# KiCad board jetson-agx-thor-baseboard.kicad_pcb (continued)
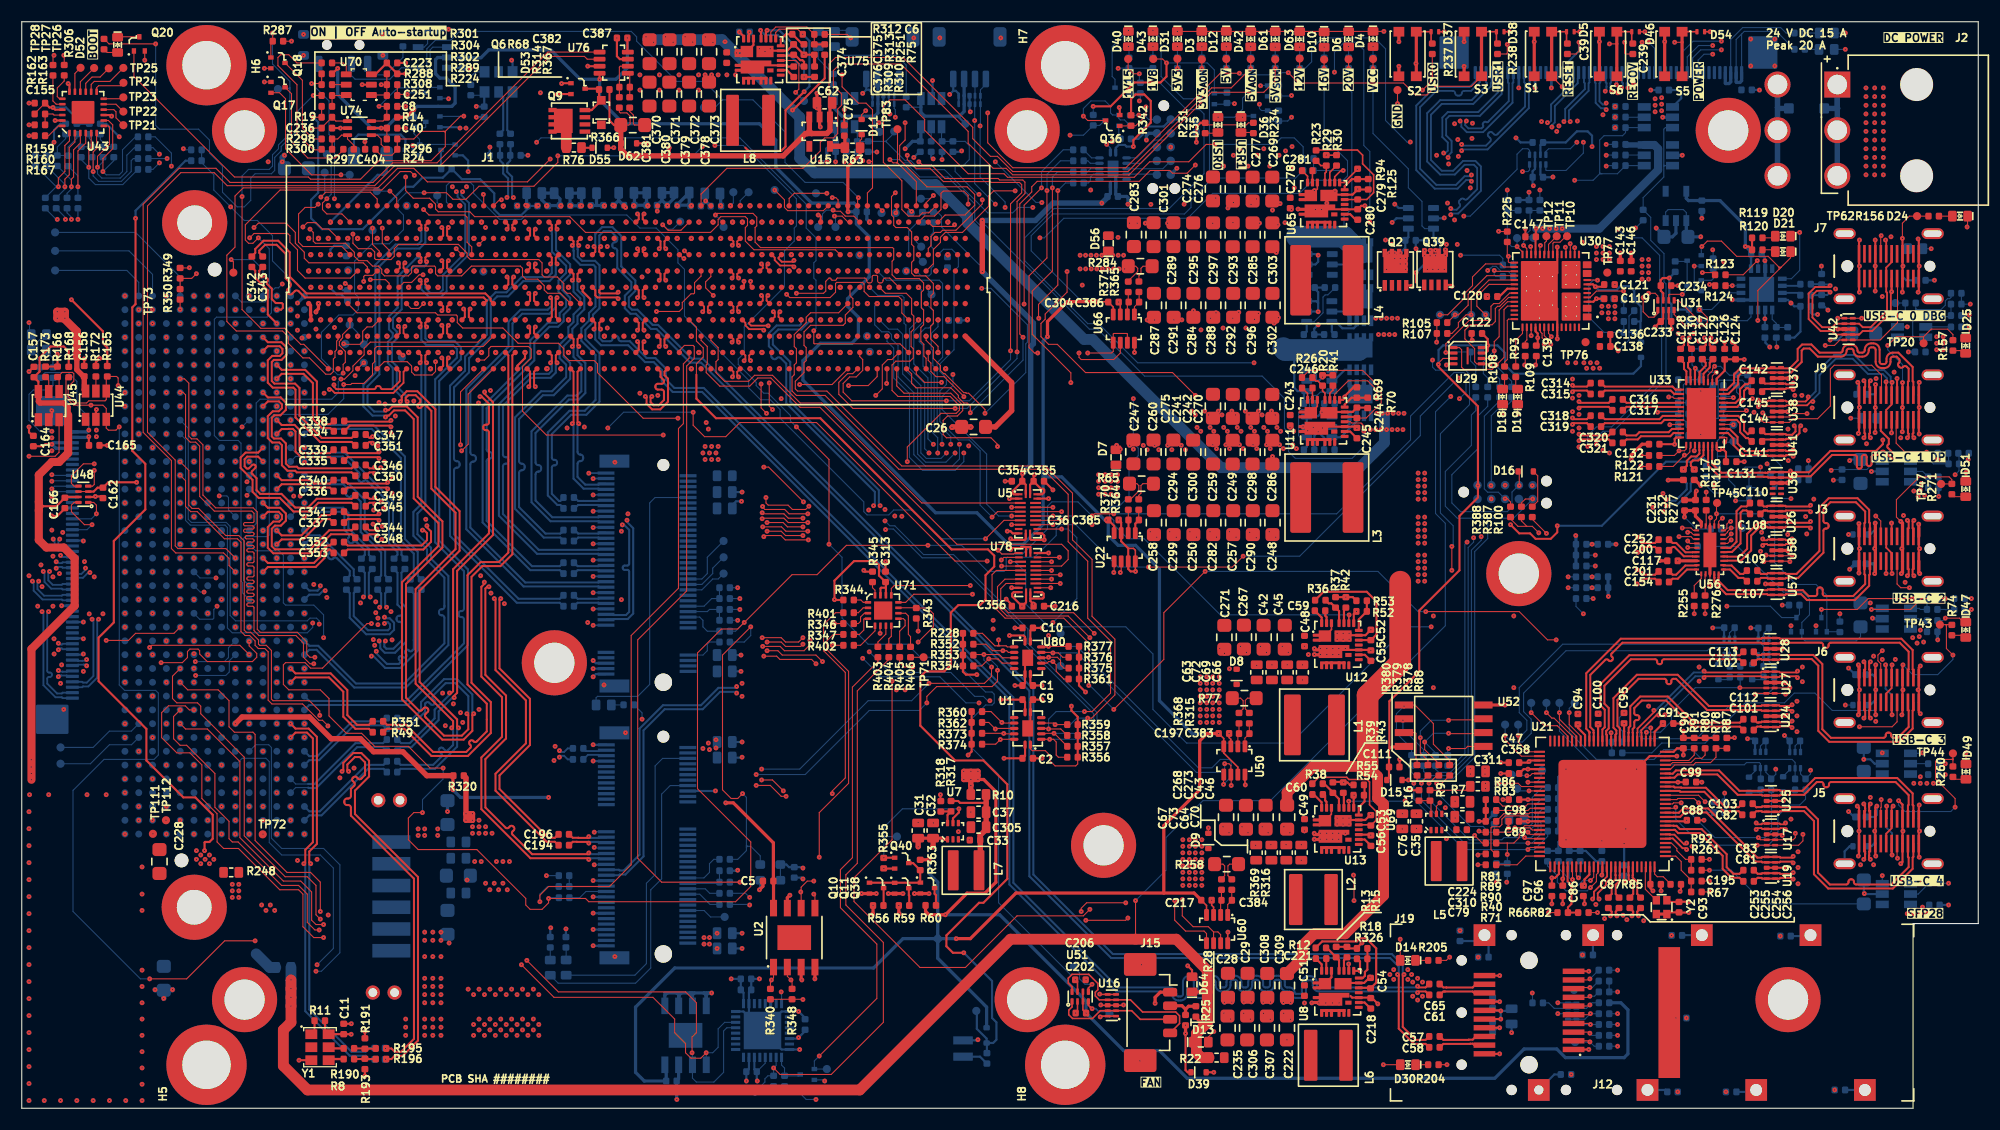
[diagram p0: board, top side]
## Footprints (pads in the part's own frame, mm; a bottom-side part is the same pattern mirrored in y, then rotated) (continued)
VQFN-24-1EP_3.8x3.8x1.0mm_P0.5mm
  rrect 0.6x0.25 smd: 1(-1.901,1.25) 2(-1.901,0.75) 3(-1.901,0.25) 4(-1.901,-0.248) 5(-1.901,-0.748) 6(-1.901,-1.249) 13(1.898,-1.249) 14(1.898,-0.748) 15(1.898,-0.248) 16(1.898,0.25) 17(1.898,0.75) 18(1.898,1.252)
  rrect 0.25x0.6 smd: 7(-1.252,-1.898) 8(-0.751,-1.898) 9(-0.25,-1.898) 10(0.248,-1.898) 11(0.748,-1.898) 12(1.249,-1.898) 19(1.249,1.901) 20(0.748,1.901) 21(0.248,1.901) 22(-0.25,1.901) 23(-0.75,1.901) 24(-1.252,1.901)
  rrect 2.1x2.1 smd: 25(0,0.001)
VQFN-100-1EP_12x12x0.85mm_P0.4mm
  rrect 1.011x0.204 smd: 1(-5.789,4.802) 2(-5.789,4.401) 3(-5.789,4) 4(-5.789,3.601) 5(-5.789,3.201) 6(-5.789,2.801) 7(-5.789,2.4) 8(-5.789,2.001) 9(-5.789,1.601) 10(-5.789,1.2) 11(-5.789,0.802) 12(-5.789,0.401) 13(-5.789,0) 14(-5.789,-0.399) 15(-5.789,-0.8) 16(-5.789,-1.199) 17(-5.789,-1.598) 18(-5.789,-1.999) 19(-5.789,-2.398) 20(-5.789,-2.798) 21(-5.789,-3.199) 22(-5.789,-3.6) 23(-5.789,-3.999) 24(-5.789,-4.398) 25(-5.789,-4.799) 51(5.788,-4.799) 52(5.788,-4.398) 53(5.788,-3.999) 54(5.788,-3.6) 55(5.788,-3.199) 56(5.788,-2.798) 57(5.788,-2.398) 58(5.788,-1.999) 59(5.788,-1.598) 60(5.788,-1.199) 61(5.788,-0.8) 62(5.788,-0.399) 63(5.788,0) 64(5.788,0.401) 65(5.788,0.802) 66(5.788,1.2) 67(5.788,1.601) 68(5.788,2) 69(5.788,2.4) 70(5.788,2.801) 71(5.788,3.201) 72(5.788,3.601) 73(5.788,4) 74(5.788,4.401) 75(5.788,4.8)
  rrect 0.204x1.011 smd: 26(-4.802,-5.788) 27(-4.401,-5.788) 28(-4,-5.788) 29(-3.601,-5.788) 30(-3.201,-5.788) 31(-2.801,-5.788) 32(-2.4,-5.788) 33(-2.001,-5.788) 34(-1.601,-5.788) 35(-1.2,-5.788) 36(-0.802,-5.788) 37(-0.401,-5.788) 38(0,-5.788) 39(0.399,-5.788) 40(0.8,-5.788) 41(1.199,-5.788) 42(1.598,-5.788) 43(1.999,-5.788) 44(2.398,-5.788) 45(2.798,-5.788) 46(3.199,-5.788) 47(3.6,-5.788) 48(3.999,-5.788) 49(4.398,-5.788) 50(4.799,-5.788) 76(4.799,5.789) 77(4.398,5.789) 78(3.999,5.789) 79(3.6,5.789) 80(3.199,5.789) 81(2.798,5.789) 82(2.398,5.789) 83(1.999,5.789) 84(1.598,5.789) 85(1.199,5.789) 86(0.8,5.789) 87(0.399,5.789) 88(0,5.789) 89(-0.401,5.789) 90(-0.802,5.789) 91(-1.2,5.789) 92(-1.601,5.789) 93(-2,5.789) 94(-2.4,5.789) 95(-2.801,5.789) 96(-3.201,5.789) 97(-3.601,5.789) 98(-4,5.789) 99(-4.401,5.789) 100(-4.8,5.789)
  rrect 8.103x8.103 smd: 101(0,0)
WQFN-30-1EP_4.6x2.6mm_P0.4mm
  rect 0.45x0.2 smd: 1(-1.232,1.809) 10(-1.232,-1.79) 16(1.222,-1.79) 25(1.222,1.809)
  rect 0.5x0.2 smd: 2(-1.203,1.41) 3(-1.203,1.01) 4(-1.203,0.609) 5(-1.203,0.21) 6(-1.203,-0.191) 7(-1.203,-0.59) 8(-1.203,-0.99) 9(-1.203,-1.391) 17(1.196,-1.391) 18(1.196,-0.99) 19(1.196,-0.59) 20(1.196,-0.191) 21(1.196,0.21) 22(1.196,0.609) 23(1.196,1.01) 24(1.196,1.41)
  rect 0.2x0.45 smd: 11(-0.804,-2.191) 15(0.797,-2.191) 26(0.797,2.21) 30(-0.804,2.21)
  rect 0.2x0.5 smd: 12(-0.403,-2.191) 13(-0.003,-2.191) 14(0.396,-2.191) 27(0.396,2.21) 28(-0.003,2.21) 29(-0.403,2.21)
  rect 1.2x3.2 smd: 31(-0.003,0.01)
WQFN-40_1EP_6x3mm_Pitch0.4mm_EP4.7x2.7mm
  rrect 0.6x0.2 smd: 1(-2.9,1.401) 2(-2.9,1) 3(-2.9,0.6) 4(-2.9,0.202) 5(-2.9,-0.2) 6(-2.9,-0.598) 7(-2.9,-0.998) 8(-2.9,-1.398) 21(2.898,-1.398) 22(2.898,-0.998) 23(2.898,-0.598) 24(2.898,-0.2) 25(2.898,0.202) 26(2.898,0.6) 27(2.898,1) 28(2.898,1.401)
  rrect 0.2x0.6 smd: 9(-2.202,-1.898) 10(-1.801,-1.898) 11(-1.401,-1.898) 12(-1,-1.898) 13(-0.6,-1.898) 14(-0.202,-1.898) 15(0.2,-1.898) 16(0.598,-1.898) 17(0.998,-1.898) 18(1.398,-1.898) 19(1.8,-1.898) 20(2.2,-1.898) 29(2.2,1.901) 30(1.8,1.901) 31(1.398,1.901) 32(0.998,1.901) 33(0.598,1.901) 34(0.2,1.901) 35(-0.202,1.901) 36(-0.6,1.901) 37(-1,1.901) 38(-1.401,1.901) 39(-1.801,1.901) 40(-2.202,1.901)
  rrect 1x0.8 smd: 41(-1.5,0.652) 41(-1.5,-0.748) 41(0.05,0.652) 41(0.05,-0.748) 41(1.499,0.652) 41(1.499,-0.748)
  rrect 4.7x2.7 smd: 41(0,0)
XDFN-2_1x0.60mm
  rrect 0.3x0.5 smd: 1(-0.351,0) 2(0.349,0)
XSON-8_1x1.95mm_P0.5mm
  rrect 0.6x0.3 smd: 1(-0.45,0.75) 4(-0.45,-0.75) 5(0.45,-0.75) 8(0.45,0.75)
  rrect 0.6x0.25 smd: 2(-0.45,0.25) 3(-0.45,-0.25) 6(0.45,-0.25) 7(0.45,0.25)

## Nets
+1V8: C1.2 C9.2 C155.2 C162.2 C163.2 C202.2 C216.2 C238.2 C354.2 Q16.1 Q17.1 R10.2 R60.2 R84.2 R126.2 R159.2 R161.2 R167.1 R170.2 R197.2 R228.1 R237.2 R238.2 R248.2 R273.2 R274.2 R285.2 R290.1 R291.1 R343.2 R349.2 R352.1 R353.1 R354.1 R356.1 R357.1 R358.1 R359.1 TP42.1 U1.1 U1.8 U5.1 U5.10 U5.24 U43.21 U48.3 U48.6 U49.3 U49.6 U51.3 U51.6 U59.8 U59.14 U78.1 U78.10 U78.24 U80.1 U80.8
+1V15: C86.2 C88.2 C90.2 C92.2 C95.2 C97.2 C99.2 C100.2 C311.2 C358.2 Q4.1 R7.2 R72.2 TP64.1 U21.9 U21.18 U21.25 U21.33 U21.39 U21.55 U21.78 U21.85 U21.93
+3V3: C2.2 C10.2 C11.2 C47.2 C71.2 C74.2 C85.2 C87.2 C89.2 C91.2 C93.2 C94.2 C96.2 C98.2 C117.1 C118.2 C119.1 C124.2 C125.1 C126.1 C131.1 C132.1 C157.1 C159.1 C166.2 C167.2 C168.2 C170.2 C171.2 C180.2 C189.1 C198.2 C199.2 C203.2 C204.2 C205.2 C207.2 C208.1 C210.1 C312.2 C313.2 C355.2 C356.2 D9.1 D14.2 D15.2 D30.2 J12.15 J12.16 J14.2 J14.4 J14.72 J14.74 R1.1 R11.1 R21.2 R46.2 R48.2 R57.2 R59.2 R66.2 R67.1 R79.2 R81.1 R83.1 R86.1 R87.2 R103.1 R104.1 R105.1 R107.1 R116.2 R127.2 R128.2 R130.2 R132.2 R134.2 R136.2 R138.2 R140.2 R158.2 R165.2 R168.1 R169.2 R174.2 R176.1 R188.2 R189.2 R192.2 R203.2 R209.1 R210.1 R211.2 R213.2 R220.2 R221.2 R222.2 R225.1 R230.2 R231.2 R232.2 R234.2 R235.2 R243.2 R249.1 R255.2 R258.2 R265.2 R266.1 R279.1 R280.1 R320.1 R321.2 R323.2 R338.1 R341.2 R344.1 R360.1 R361.1 R362.1 R369.2 R373.1 R374.1 R375.1 R376.1 R377.1 TP41.1 U1.14 U5.22 U5.23 U14.1 U14.8 U14.14 U14.20 U14.22 U21.26 U21.42 U21.53 U21.62 U21.67 U21.79 U21.88 U21.99 U30.5 U33.1 U33.6 U33.20 U33.28 U45.6 U47.6 U48.7 U49.7 U53.6 U55.6 U56.8 U71.14 U71.15 U78.22 U78.23 U80.14 Y1.6 Y2.1 Y2.4 Y3.1 Y3.4 Y5.6
+3V3_AON: C36.2 C40.2 C197.2 C209.2 C217.2 C225.2 C272.2 C304.2 C387.2 D1.2 D11.1 J1.L53 R14.2 R32.2 R34.2 R47.2 R63.2 R296.2 R304.2 R363.2 TP63.1 U22.4 U50.4 U50.7 U54.8 U60.4 U66.4 U72.2 U74.5 U76.4 U76.8
+5V: C31.2 C32.2 C35.2 C76.2 C77.1 C104.1 C114.1 C137.1 C139.1 C147.2 C148.1 C156.1 C158.1 C206.2 C231.1 C232.1 D8.1 D39.1 Q21.4 Q26.4 Q27.4 Q29.4 R28.1 R56.2 R64.2 R77.2 R142.2 R149.2 R150.2 R240.2 R250.1 R252.2 R254.1 R256.2 R257.2 R278.2 R299.1 R303.1 R332.1 R333.1 R368.2 TP7.1 U7.1 U18.6 U20.6 U23.6 U30.25 U30.46 U35.6 U40.6 U44.6 U46.6 U51.7 U56.30 U69.1
+5V_AON: C62.2 C223.2 D53.1 D62.1 Q9.1 Q9.2 Q9.3 R35.2 R68.2 R287.2 R288.2 R289.2 R306.2 R366.2 R367.2 TP9.1 U15.1 U15.3 U70.3
+5V_SOM: C3.2 C4.2 C7.2 C12.2 C13.2 C14.2 C15.2 C16.2 C17.2 C18.2 C19.2 C20.2 C21.2 C22.2 C23.2 C24.2 C25.2 D55.1 J1.L22 J1.L23 J1.L26 J1.L27 J1.L30 J1.L31 J1.L34 J1.L35 J1.L38 J1.L39 R19.2 R50.2 R61.2 R76.2 R224.2 TP75.1
+12V: D13.1 D64.1 R22.2 R25.1 R247.2 R372.2 TP98.1
+20V: C263.2 C264.2 D56.1 Q24.5 Q25.5 R17.2 R284.2 R371.2 TP61.1 U63.1 U64.1
/DCDC/1V8_FB: R317.1 R318.2 U7.6
/DCDC/1V8_OUT: C33.2 C37.2 C305.1 L7.2 R10.1 R317.2
/DCDC/1V8_SW: L7.1 U7.2
/DCDC/1V15_FB: R9.1 R16.2 U69.6
/DCDC/1V15_OUT: C79.2 C224.1 C310.2 L5.2 R7.1 R9.2
/DCDC/1V15_SW: L5.1 U69.2
/DCDC/3V3_BOOT: C60.2 U13.23
/DCDC/3V3_FB: R54.1 R55.2 U13.17
/DCDC/3V3_MODE1: R38.1 R39.2 U13.21
/DCDC/3V3_MODE2: R43.2 U13.20
/DCDC/3V3_OUT: C64.2 C67.2 C70.2 C73.2 L2.2 R54.2 R258.1 R316.2 U13.18
/DCDC/3V3_PHASE: C60.1 U13.24
/DCDC/3V3_SW: L2.1 U13.5 U13.6 U13.7 U13.8 U13.9
/DCDC/3V3_VDD: C53.2 R38.2 U13.15
/DCDC/3V3_VDRV: C56.2 U13.12
/DCDC/5V_BOOT: C59.2 U12.23
/DCDC/5V_FB: R52.1 R53.2 U12.17
/DCDC/5V_MODE1: R36.1 R37.2 U12.21
/DCDC/5V_MODE2: R42.2 U12.20
/DCDC/5V_OUT: C63.2 C66.2 C69.2 C72.2 L1.2 R52.2 R77.1 R315.2 U12.18
/DCDC/5V_PHASE: C59.1 U12.24
/DCDC/5V_SW: L1.1 U12.5 U12.6 U12.7 U12.8 U12.9
/DCDC/5V_VDD: C52.2 R36.2 U12.15
/DCDC/5V_VDRV: C55.2 U12.12
/DCDC/5V_{AON}_BOOT: C377.2 U75.23
/DCDC/5V_{AON}_EN: C6.2 R75.1 R251.2 U75.19
/DCDC/5V_{AON}_FB: R312.1 R313.2 U75.17
/DCDC/5V_{AON}_MODE1: R309.1 R310.2 U75.21
/DCDC/5V_{AON}_MODE2: R311.2 U75.20
/DCDC/5V_{AON}_OUT: C378.2 C379.2 C380.2 C381.2 L8.2 R312.2 R314.2 R366.1 U75.18
/DCDC/5V_{AON}_PHASE: C377.1 U75.24
/DCDC/5V_{AON}_SW: L8.1 U75.5 U75.6 U75.7 U75.8 U75.9
/DCDC/5V_{AON}_VDD: C375.2 R309.2 U75.15
/DCDC/5V_{AON}_VDRV: C376.2 U75.12
/DCDC/12V_BOOT: C221.2 U8.23
/DCDC/12V_FB: R18.2 R326.1 U8.17
/DCDC/12V_MODE1: R12.1 R13.2 U8.21
/DCDC/12V_MODE2: R15.2 U8.20
/DCDC/12V_OUT: C222.2 C235.2 C306.2 C307.2 L6.2 R22.1 R326.2 U8.18
/DCDC/12V_PHASE: C221.1 U8.24
/DCDC/12V_SW: L6.1 U8.5 U8.6 U8.7 U8.8 U8.9
/DCDC/12V_VDD: C54.2 R12.2 U8.15
/DCDC/12V_VDRV: C218.2 U8.12
/DCDC/16V_BOOT: C246.2 U11.23
/DCDC/16V_FB: R69.1 R70.2 U11.17
/DCDC/16V_MODE1: R20.2 R26.1 U11.21
/DCDC/16V_MODE2: R41.2 U11.20
/DCDC/16V_OUT: C247.2 C248.2 C249.2 C250.2 C257.2 C258.2 C259.2 C260.2 C282.2 C286.2 C290.2 C294.2 C298.2 C299.2 C300.2 L3.2 R65.1 R69.2 R364.2 U11.18
/DCDC/16V_PHASE: C246.1 U11.24
/DCDC/16V_SW: L3.1 U11.5 U11.6 U11.7 U11.8 U11.9
/DCDC/16V_VDD: C244.2 R26.2 U11.15
/DCDC/16V_VDRV: C245.2 U11.12
/DCDC/20V_BOOT: C281.2 U65.23
/DCDC/20V_EN: R34.1 R217.2 U65.19
/DCDC/20V_FB: R94.1 R125.2 U65.17
/DCDC/20V_MODE1: R23.1 R29.2 U65.21
/DCDC/20V_MODE2: R30.2 U65.20
/DCDC/20V_OUT: C283.2 C284.2 C285.2 C287.2 C288.2 C289.2 C291.2 C292.2 C293.2 C295.2 C296.2 C297.2 C301.2 C302.2 C303.2 L4.2 R94.2 R284.1 R365.2 U65.18
/DCDC/20V_PHASE: C281.1 U65.24
/DCDC/20V_SW: L4.1 U65.5 U65.6 U65.7 U65.8 U65.9
/DCDC/20V_VDD: C279.2 R23.2 U65.15
/DCDC/20V_VDRV: C280.2 U65.12
/DCDC/VIN_PWR_ON: C404.2 Q6.1 Q7.1 Q20.1 R24.1 R296.1 U11.19
/Expansion connector/+3V3_AUX: C5.2 J18.D32 R320.2 U2.8
/Expansion connector/+3V3_FMC: C229.2 J8.1 J18.C39 J18.D36 J18.D38 J18.D40 J18.Z40 R249.2
/Expansion connector/+5V_FMC: C230.2 J8.2 R250.2
/Expansion connector/+12V_FMC: C227.2 J18.C35 J18.C37 J18.L36 J18.L37 J18.L40 R247.1
/Expansion connector/+VCC_FMC: C50.2 J8.3 J8.4 R33.2
/M.2/3V3_M2: C190.1 C191.1 C192.1 C193.1 J13.2 J13.4 J13.12 J13.14 J13.16 J13.18 J13.70 J13.72 J13.74 R213.1
/Power/3V3_LDO: C75.2 R63.1 U15.5
/USB Hub/VBUS_MON_UP: R66.1 R82.2 U21.80
GND: BT1.2 C1.1 C2.1 C3.1 C4.1 C5.1 C6.1 C7.1 C8.1 C9.1 C10.1 C11.1 C12.1 C13.1 C14.1 C15.1 C16.1 C17.1 C18.1 C19.1 C20.1 C21.1 C22.1 C23.1 C24.1 C25.1 C26.1 C27.1 C28.1 C29.1 C30.1 C31.1 C32.1 C33.1 C34.1 C35.1 C36.1 C37.1 C38.1 C39.1 C40.1 C42.1 C43.1 C44.2 C45.1 C46.1 C47.1 C48.2 C49.2 C50.1 C51.2 C52.1 C53.1 C54.1 C55.1 C56.1 C62.1 C63.1 C64.1 C66.1 C67.1 C68.2 C69.1 C70.1 C71.1 C72.1 C73.1 C74.1 C75.1 C76.1 C77.2 C78.2 C79.1 C80.2 C84.1 C85.1 C86.1 C87.1 C88.1 C89.1 C90.1 C91.1 C92.1 C93.1 C94.1 C95.1 C96.1 C97.1 C98.1 C99.1 C100.1 C104.2 C105.2 C106.2 C111.1 C114.2 C115.2 C116.2 C117.2 C118.1 C119.2 C120.1 C121.1 C122.1 C123.2 C124.1 C125.2 C126.2 C131.2 C132.2 C133.2 C134.2 C135.1 C136.2 C137.2 C138.2 C139.2 C140.2 C143.2 C146.2 C147.1 C148.2 C149.1 C150.2 C151.2 C152.2 C153.2 C155.1 C156.2 C157.2 C158.2 C159.2 C160.1 C161.1 C162.1 C163.1 C164.1 C165.1 C166.1 C167.1 C168.1 C169.1 C170.1 C171.1 C172.1 C173.1 C174.1 C175.1 C176.1 C177.1 C178.1 C179.1 C180.1 C189.2 C190.2 C191.2 C192.2 C193.2 C195.1 C197.1 C198.1 C199.1 C202.1 C203.1 C204.1 C205.1 C206.1 C207.1 C208.2 C209.1 C210.2 C216.1 C217.1 C218.1 C222.1 C223.1 C224.2 C225.1 C226.1 C227.1 C228.1 C229.1 C230.1 C231.2 C232.2 C233.2 C234.2 C235.1 C236.1 C237.1 C238.1 C239.1 C240.1 C241.1 C242.1 C243.2 C244.1 C245.1 C247.1 C248.1 C249.1 C250.1 C257.1 C258.1 C259.1 C260.1 C261.1 C262.1 C263.1 C264.1 C265.1 C266.1 C267.1 C268.1 C269.1 C270.1 C271.1 C272.1 C273.1 C274.1 C275.1 C276.1 C277.1 C278.2 C279.1 C280.1 C282.1 C283.1 C284.1 C285.1 C286.1 C287.1 C288.1 C289.1 C290.1 C291.1 C292.1 C293.1 C294.1 C295.1 C296.1 C297.1 C298.1 C299.1 C300.1 C301.1 C302.1 C303.1 C304.1 C305.2 C306.1 C307.1 C308.1 C309.1 C310.1 C311.1 C312.1 C313.1 C354.1 C355.1 C356.1 C358.1 C359.1 C365.1 C366.1 C370.1 C371.1 C372.1 C373.1 C374.2 C375.1 C376.1 C378.1 C379.1 C380.1 C381.1 C387.1 C404.1 D2.2 D3.1 D4.1 D5.1 D6.1 D7.2 D8.2 D9.2 D10.1 D11.2 D12.1 D13.2 D18.1 D19.1 D22.2 D23.2 D24.1 D25.1 D26.1 D27.1 D28.1 D29.1 D31.1 D37.1 D38.1 D39.2 D41.1 D42.1 D44.1 D45.2 D46.1 D47.1 D48.2 D49.1 D50.2 D51.1 D54.1 D55.2 D56.2 D61.1 D62.2 D63.1 D64.2 H1.1 H2.1 H3.1 H4.1 H5.1 H6.1 H7.1 H8.1 H9.1 H10.1 H11.1 H12.1 H13.1 J1.A9 J1.A12 J1.A13 J1.A16 J1.A17 J1.A20 J1.A21 J1.A24 J1.A25 J1.A28 J1.A29 J1.A32 J1.A33 J1.A36 J1.A37 J1.A40 J1.A43 J1.A46 J1.A49 J1.A52 J1.A63 J1.B4 J1.B7 J1.B11 J1.B14 J1.B15 J1.B18 J1.B19 J1.B22 J1.B23 J1.B26 J1.B27 J1.B30 J1.B31 J1.B34 J1.B35 J1.B38 J1.B39 J1.B41 J1.B44 J1.B47 J1.B50 J1.B53 J1.B57 J1.C3 J1.C9 J1.C12 J1.C13 J1.C16 J1.C17 J1.C20 J1.C21 J1.C24 J1.C25 J1.C28 J1.C29 J1.C32 J1.C33 J1.C36 J1.C37 J1.C40 J1.C43 J1.C46 J1.C49 J1.C52 J1.C62 J1.D4 J1.D7 J1.D11 J1.D14 J1.D15 J1.D18 J1.D19 J1.D22 J1.D23 J1.D26 J1.D27 J1.D30 J1.D31 J1.D34 J1.D35 J1.D38 J1.D39 J1.D41 J1.D44 J1.D47 J1.D50 J1.D53 J1.D57 J1.D63 J1.E3 J1.E9 J1.E12 J1.E13 J1.E16 J1.E17 J1.E20 J1.E21 J1.E24 J1.E25 J1.E28 J1.E29 J1.E32 J1.E33 J1.E36 J1.E37 J1.E40 J1.E43 J1.E46 J1.E49 J1.E52 J1.E57 J1.E62 J1.F4 J1.F7 J1.F11 J1.F14 J1.F15 J1.F18 J1.F19 J1.F22 J1.F23 J1.F26 J1.F27 J1.F30 J1.F31 J1.F34 J1.F35 J1.F38 J1.F39 J1.F41 J1.F44 J1.F47 J1.F50 J1.F57 J1.F62 J1.G3 J1.G9 J1.G12 J1.G13 J1.G16 J1.G17 J1.G20 J1.G21 J1.G24 J1.G25 J1.G28 J1.G29 J1.G32 J1.G33 J1.G36 J1.G37 J1.G40 J1.G43 J1.G46 J1.G49 J1.G52 J1.G57 J1.G62 J1.H4 J1.H7 J1.H11 J1.H14 J1.H15 J1.H18 J1.H19 J1.H22 J1.H23 J1.H26 J1.H27 J1.H30 J1.H31 J1.H34 J1.H35 J1.H38 J1.H39 J1.H41 J1.H44 J1.H47 J1.H50 J1.H56 J1.H63 J1.J3 J1.J8 J1.J12 J1.J13 J1.J16 J1.J17 J1.J20 J1.J21 J1.J24 J1.J25 J1.J28 J1.J29 J1.J32 J1.J33 J1.J36 J1.J37 J1.J40 J1.J43 J1.J46 J1.J49 J1.J56 J1.J62 J1.K4 J1.K8 J1.K11 J1.K14 J1.K15 J1.K18 J1.K19 J1.K22 J1.K23 J1.K26 J1.K27 J1.K30 J1.K31 J1.K34 J1.K35 J1.K38 J1.K39 J1.K41 J1.K42 J1.K45 J1.K48 J1.K55 J1.K63 J1.L3 J1.L7 J1.L12 J1.L13 J1.L16 J1.L17 J1.L20 J1.L21 J1.L24 J1.L25 J1.L28 J1.L29 J1.L32 J1.L33 J1.L36 J1.L37 J1.L40 J1.L43 J1.L46 J1.L63 J2.4 J2.5 J2.6 J3.A1 J3.A12 J3.B1 J3.B12 J3.SH J4.3 J4.5 J4.9 J5.A1 J5.A12 J5.B1 J5.B12 J5.SH J6.A1 J6.A12 J6.B1 J6.B12 J6.SH J7.A1 J7.A12 J7.B1 J7.B12 J7.SH J8.5 J8.6 J8.MP1 J8.MP2 J9.A1 J9.A12 J9.B1 J9.B12 J9.SH J10.9 J10.12 J10.15 J10.18 J10.27 J10.30 J10.MP1 J10.MP2 J11.9 J11.12 J11.15 J11.18 J11.27 J11.30 J11.MP1 J11.MP2 J12.1 J12.10 J12.11 J12.14 J12.17 J12.20 J13.1 J13.3 J13.9 J13.15 J13.21 J13.27 J13.33 J13.39 J13.45 J13.51 J13.57 J13.71 J13.73 J13.75 J13.MP1 J13.MP2 J14.1 J14.7 J14.18 J14.33 J14.39 J14.45 J14.51 J14.57 J14.63 J14.69 J14.75 J14.MP J15.1 J15.MP1 J15.MP2 J16.1 J16.MP J17.1 J17.MP J18.A01 J18.A04 J18.A05 J18.A08 J18.A09 J18.A12 J18.A13 J18.A16 J18.A17 J18.A20 J18.A21 J18.A24 J18.A25 J18.A28 J18.A29 J18.A32 J18.A33 J18.A36 J18.A37 J18.A40 J18.B02 J18.B03 J18.B06 J18.B07 J18.B10 J18.B11 J18.B14 J18.B15 J18.B18 J18.B19 J18.B22 J18.B23 J18.B26 J18.B27 J18.B30 J18.B31 J18.B34 J18.B35 J18.B38 J18.B39 J18.C01 J18.C04 J18.C05 J18.C08 J18.C09 J18.C12 J18.C13 J18.C16 J18.C17 J18.C20 J18.C21 J18.C24 J18.C25 J18.C28 J18.C29 J18.C32 J18.C33 J18.C36 J18.C38 J18.C40 J18.D02 J18.D03 J18.D06 J18.D07 J18.D10 J18.D13 J18.D16 J18.D19 J18.D22 J18.D25 J18.D28 J18.D37 J18.D39 J18.E01 J18.E04 J18.E05 J18.E08 J18.E11 J18.E14 J18.E17 J18.E20 J18.E23 J18.E26 J18.E29 J18.E32 J18.E35 J18.E38 J18.E40 J18.F02 J18.F03 J18.F06 J18.F09 J18.F12 J18.F15 J18.F18 J18.F21 J18.F24 J18.F27 J18.F30 J18.F33 J18.F36 J18.F39 J18.G01 J18.G04 J18.G05 J18.G08 J18.G11 J18.G14 J18.G17 J18.G20 J18.G23 J18.G26 J18.G29 J18.G32 J18.G35 J18.G38 J18.G40 J18.H03 J18.H06 J18.H09 J18.H12 J18.H15 J18.H18 J18.H21 J18.H24 J18.H27 J18.H30 J18.H33 J18.H36 J18.H39 J18.J01 J18.J04 J18.J05 J18.J08 J18.J11 J18.J14 J18.J17 J18.J20 J18.J23 J18.J26 J18.J29 J18.J32 J18.J35 J18.J38 J18.J40 J18.K02 J18.K03 J18.K06 J18.K09 J18.K12 J18.K15 J18.K18 J18.K21 J18.K24 J18.K27 J18.K30 J18.K33 J18.K36 J18.K39 J18.L02 J18.L03 J18.L06 J18.L07 J18.L10 J18.L11 J18.L14 J18.L15 J18.L18 J18.L19 J18.L22 J18.L23 J18.L26 J18.L27 J18.L30 J18.L31 J18.L34 J18.L35 J18.L38 J18.L39 J18.M01 J18.M04 J18.M05 J18.M08 J18.M09 J18.M12 J18.M13 J18.M16 J18.M17 J18.M20 J18.M21 J18.M24 J18.M25 J18.M28 J18.M29 J18.M32 J18.M33 J18.M36 J18.M37 J18.M40 J18.Y01 J18.Y04 J18.Y05 J18.Y08 J18.Y09 J18.Y12 J18.Y13 J18.Y16 J18.Y17 J18.Y20 J18.Y21 J18.Y24 J18.Y25 J18.Y28 J18.Y29 J18.Y32 J18.Y33 J18.Y36 J18.Y37 J18.Y40 J18.Z02 J18.Z03 J18.Z06 J18.Z07 J18.Z10 J18.Z11 J18.Z14 J18.Z15 J18.Z18 J18.Z19 J18.Z22 J18.Z23 J18.Z26 J18.Z27 J18.Z30 J18.Z31 J18.Z34 J18.Z35 J18.Z38 J18.Z39 J20.3 J20.5 J20.9 Q1.2 Q3.2 Q4.2 Q6.2 Q7.2 Q8.2 Q10.2 Q11.2 Q12.2 Q13.2 Q14.2 Q15.2 Q16.2 Q18.2 Q19.2 Q20.2 Q21.1 Q22.2 Q26.1 Q27.1 Q28.2 Q29.1 Q34.2 Q35.2 Q36.2 Q37.2 Q38.2 Q40.2 R4.1 R5.1 R13.1 R15.1 R16.1 R18.1 R20.1 R29.1 R30.1 R31.1 R37.1 R39.1 R41.1 R42.1 R43.1 R53.1 R55.1 R58.2 R62.2 R70.1 R72.1 R73.1 R78.1 R80.1 R82.1 R84.1 R85.1 R91.1 R92.1 R93.1 R97.1 R117.2 R125.1 R129.2 R131.2 R133.2 R135.2 R137.2 R139.2 R141.2 R144.1 R146.1 R152.1 R153.1 R154.2 R155.2 R160.1 R166.1 R172.1 R173.1 R175.1 R179.1 R180.1 R191.1 R193.1 R194.1 R198.1 R199.1 R200.1 R229.1 R233.1 R236.1 R239.1 R241.1 R244.1 R245.1 R251.1 R253.1 R259.1 R262.1 R270.1 R272.2 R276.1 R277.1 R286.1 R307.1 R310.1 R311.1 R313.1 R318.1 R319.2 R322.1 R324.1 R325.1 R327.1 R328.2 R329.2 R334.2 R335.2 R340.2 R345.1 R348.2 R355.1 S1.1 S1.2 S2.3 S2.4 S3.3 S3.4 S5.1 S5.2 S6.3 S6.4 SW2.S1 SW2.S2 SW2.S3 SW2.S4 TP3.1 U1.7 U1.15 U2.3 U2.4 U2.7 U5.2 U5.11 U5.12 U5.13 U5.21 U6.2 U6.3 U7.3 U7.4 U8.3 U8.4 U8.13 U8.16 U8.25 U8.27 U11.3 U11.4 U11.13 U11.16 U11.25 U11.27 U12.3 U12.4 U12.13 U12.16 U12.25 U12.27 U13.3 U13.4 U13.13 U13.16 U13.25 U13.27 U14.2 U14.9 U14.16 U14.23 U14.32 U14.33 U15.2 U16.1 U16.3 U16.5 U16.6 U16.8 U16.10 U17.3 U17.8 U18.2 U19.3 U19.8 U20.2 U21.24 U21.101 U22.3 U22.7 U22.8 U23.2 U24.3 U24.8 U25.3 U25.8 U26.3 U26.8 U27.3 U27.8 U28.3 U28.8 U29.4 U30.20 U30.51 U30.59 U31.2 U32.2 U33.41 U34.3 U34.13 U34.17 U35.2 U36.3 U36.8 U37.3 U37.8 U38.3 U38.8 U40.2 U41.3 U41.8 U42.3 U42.8 U43.9 U43.18 U43.23 U44.2 U45.2 U46.2 U47.2 U48.2 U49.2 U50.3 U50.8 U51.2 U52.4 U53.2 U54.1 U54.2 U54.3 U54.4 U54.7 U55.2 U56.13 U56.28 U56.31 U57.3 U57.8 U58.3 U58.8 U59.7 U59.15 U60.3 U60.8 U61.2 U61.3 U62.2 U62.3 U63.2 U63.3 U64.2 U64.3 U65.3 U65.4 U65.13 U65.16 U65.25 U65.27 U66.3 U66.8 U67.3 U67.5 U67.6 U67.8 U68.3 U68.5 U68.6 U68.8 U69.3 U69.4 U70.2 U71.6 U72.3 U73.3 U73.5 U73.6 U73.8 U74.2 U75.3 U75.4 U75.13 U75.16 U75.25 U75.27 U76.3 U76.7 U78.4 U78.11 U78.12 U78.21 U80.7 U80.15 Y1.3 Y2.2 Y3.2 Y5.3
VCC: C28.2 C29.2 C34.2 C42.2 C43.2 C45.2 C46.2 C48.1 C49.1 C51.1 C241.2 C242.2 C243.1 C261.2 C262.2 C267.2 C268.2 C270.2 C271.2 C273.2 C275.2 C308.2 C309.2 C370.2 C371.2 C372.2 C373.2 C374.1 Q2.1 Q2.2 Q2.3 Q5.1 Q5.2 Q5.3 Q23.1 Q23.2 Q23.3 Q39.1 Q39.2 Q39.3 R27.2 R33.1 R75.2 TP4.1 U6.6 U8.1 U8.2 U8.22 U8.26 U11.1 U11.2 U11.22 U11.26 U12.1 U12.2 U12.22 U12.26 U13.1 U13.2 U13.22 U13.26 U61.6 U62.6 U75.1 U75.2 U75.22 U75.26
VCC_IN: C30.2 C269.2 C274.2 C276.2 C277.2 C278.1 D2.1 J2.1 J2.2 J2.3 Q2.5 Q39.5 U6.1 U65.1 U65.2 U65.22 U65.26
/CSI/CAM0.CSI2_CLK+: J1.B43 J11.11
/CSI/CAM0.CSI2_CLK-: J1.B42 J11.10
/CSI/CAM0.CSI2_D0+: J1.A41 J11.8
/CSI/CAM0.CSI2_D0-: J1.A42 J11.7
/CSI/CAM0.CSI2_D1+: J1.C42 J11.6
/CSI/CAM0.CSI2_D1-: J1.C41 J11.5
/CSI/CAM0.CSI3_D0+: J1.E45 J11.4
/CSI/CAM0.CSI3_D0-: J1.E44 J11.3
/CSI/CAM0.CSI3_D1+: J1.G44 J11.2
/CSI/CAM0.CSI3_D1-: J1.G45 J11.1
/CSI/CAM1.CSI0_CLK+: J1.F43 J11.29
/CSI/CAM1.CSI0_CLK-: J1.F42 J11.28
/CSI/CAM1.CSI0_D0+: J1.E42 J11.26
/CSI/CAM1.CSI0_D0-: J1.E41 J11.25
/CSI/CAM1.CSI0_D1+: J1.E39 J11.24
/CSI/CAM1.CSI0_D1-: J1.E38 J11.23
/CSI/CAM1.CSI1_D0+: J1.G41 J11.22
/CSI/CAM1.CSI1_D0-: J1.G42 J11.21
/CSI/CAM1.CSI1_D1+: J1.J41 J11.20
/CSI/CAM1.CSI1_D1-: J1.J42 J11.19
/CSI/CAM2.CSI4_CLK+: J1.F48 J10.11
/CSI/CAM2.CSI4_CLK-: J1.F49 J10.10
/CSI/CAM2.CSI4_D0+: J1.G48 J10.8
/CSI/CAM2.CSI4_D0-: J1.G47 J10.7
/CSI/CAM2.CSI4_D1+: J1.E47 J10.6
/CSI/CAM2.CSI4_D1-: J1.E48 J10.5
/CSI/CAM2.CSI5_D0+: J1.D42 J10.4
/CSI/CAM2.CSI5_D0-: J1.D43 J10.3
/CSI/CAM2.CSI5_D1+: J1.D46 J10.2
/CSI/CAM2.CSI5_D1-: J1.D45 J10.1
/CSI/CAM3.CSI6_CLK+: J1.J44 J10.29
/CSI/CAM3.CSI6_CLK-: J1.J45 J10.28
/CSI/CAM3.CSI6_D0+: J1.K44 J10.26
/CSI/CAM3.CSI6_D0-: J1.K43 J10.25
/CSI/CAM3.CSI6_D1+: J1.H46 J10.24
/CSI/CAM3.CSI6_D1-: J1.H45 J10.23
/CSI/CAM3.CSI7_D0+: J1.A44 J10.22
/CSI/CAM3.CSI7_D0-: J1.A45 J10.21
/CSI/CAM3.CSI7_D1+: J1.C47 J10.20
/CSI/CAM3.CSI7_D1-: J1.C48 J10.19
/CSI/CAM_CTRL.CSIA_FLG: R168.2 R347.2 U44.3 U45.3
/CSI/CAM_CTRL.CSIA_PEN: R165.1 R166.2 R401.2 U44.4 U45.4
/CSI/CAM_CTRL.CSIB_FLG: R176.2 R402.2 U46.3 U47.3
/CSI/CAM_CTRL.CSIB_PEN: R174.1 R175.2 R346.2 U46.4 U47.4
/CSI/CAM_CTRL.VSYNC_CAM0: J1.B54 U48.5
/CSI/CAM_CTRL.VSYNC_CAM1: J1.A54 U48.4
/CSI/CAM_CTRL.VSYNC_CAM2: J1.C4 U49.5
/CSI/CAM_CTRL.VSYNC_CAM3: J1.D5 U49.4
/CSI/CSIA_3V3: C164.2 J11.47 J11.48 R182.2 U45.1
/CSI/CSIA_3V3_ISET: R173.2 U45.5
/CSI/CSIA_5V: C165.2 J11.49 J11.50 R183.2 U44.1
/CSI/CSIA_5V_ISET: R172.2 U44.5
/CSI/CSIA_I2C_VCC: R158.1 R161.1 R164.1 R389.1 R390.1 R391.1
/CSI/CSIB_3V3: C160.2 J10.47 J10.48 R177.2 U47.1
/CSI/CSIB_3V3_ISET: R180.2 U47.5
/CSI/CSIB_5V: C161.2 J10.49 J10.50 R178.2 U46.1
/CSI/CSIB_5V_ISET: R179.2 U46.5
/CSI/CSIB_I2C_VCC: R169.1 R170.1 R171.1 R392.1 R393.1 R394.1
/CSI/I2C_MUX_A0: R159.1 R160.2 U43.22
/CSI/I2C_MUX_RESET: R167.2 U43.24
/CSI/I2C_MUX_SCL: R163.1 U43.19
/CSI/I2C_MUX_SDA: R162.1 U43.20
/CSI/I2C_{CAM}.SCL: J1.D61 R163.2
/CSI/I2C_{CAM}.SDA: J1.E60 R162.2
/CSI/MUX_I2C_4_SCL: TP22.1 U43.11
/CSI/MUX_I2C_4_SDA: TP21.1 U43.10
/CSI/MUX_I2C_5_SCL: TP24.1 U43.13
/CSI/MUX_I2C_5_SDA: TP23.1 U43.12
/CSI/MUX_I2C_6_SCL: TP26.1 U43.15
/CSI/MUX_I2C_6_SDA: TP25.1 U43.14
/CSI/MUX_I2C_7_SCL: TP28.1 U43.17
/CSI/MUX_I2C_7_SDA: TP27.1 U43.16
/CSI/SCL_CAM0: R184.2 R390.2 U43.2
/CSI/SCL_CAM1: R389.2 R400.2 U43.4
/CSI/SCL_CAM2: R392.2 R396.1 U43.6
/CSI/SCL_CAM3: R394.2 R398.1 U43.8
/CSI/SDA_CAM0: R181.2 R391.2 U43.1
/CSI/SDA_CAM1: R164.2 R399.2 U43.3
/CSI/SDA_CAM2: R171.2 R395.1 U43.5
/CSI/SDA_CAM3: R393.2 R397.1 U43.7
/CSI/VSYNC_CAM0_3V3: J11.32 U48.8
/CSI/VSYNC_CAM1_3V3: J11.34 U48.1
/CSI/VSYNC_CAM2_3V3: J10.32 U49.8
/CSI/VSYNC_CAM3_3V3: J10.34 U49.1
/DCDC/CARRIER_PWR_ON: J1.L62 Q40.1 R217.1 R355.2 TP86.1 U7.5 U8.19 U12.19 U13.19 U69.5
/DCDC/~{VDDIN_PWR_BAD}: C236.2 J1.L55 R19.1 TP85.1 U11.14 U74.1 U75.14
/Expansion connector/+V_{ADJ}: C228.2 J18.E39 J18.F40 J18.G39 J18.H40 R248.1 R275.2
/Expansion connector/ADDR0: J18.C34 R340.1 U2.1
/Expansion connector/ADDR1: J18.D35 R348.1 U2.2
/Expansion connector/CAN0.DIN: J1.G39 J18.H07
/Expansion connector/CAN0.DOUT: J1.G38 J18.H08
/Expansion connector/CAN1.DIN: J1.H36 J18.H10
/Expansion connector/CAN1.DOUT: J1.H37 J18.H11
/Expansion connector/CAN2.DIN: J1.F58 J18.H13
/Expansion connector/CAN2.DOUT: J1.D59 J18.H14
/Expansion connector/CAN3.DIN: J1.B61 J18.H16
/Expansion connector/CAN3.DOUT: J1.H61 J18.H17
/Expansion connector/DP1.AUX+: C332.2 J18.Y10
/Expansion connector/DP1.AUX-: C333.2 J18.Y11
/Expansion connector/DP1.HPD: J1.C18 J18.C18
/Expansion connector/DP1.TX0+: C324.1 J18.Y14
/Expansion connector/DP1.TX0-: C328.1 J18.Y15
/Expansion connector/DP1.TX1+: C325.1 J18.Y18
/Expansion connector/DP1.TX1-: C329.1 J18.Y19
/Expansion connector/DP1.TX2+: C326.1 J18.Z12
/Expansion connector/DP1.TX2-: C330.1 J18.Z13
/Expansion connector/DP1.TX3+: C327.1 J18.Z16
/Expansion connector/DP1.TX3-: C331.1 J18.Z17
/Expansion connector/DP2.AUX+: C342.2 J18.A03
/Expansion connector/DP2.AUX-: C343.2 J18.A02
/Expansion connector/DP2.HPD: J1.A19 J18.C19
/Expansion connector/DP2.TX0+: C334.1 J18.A07
/Expansion connector/DP2.TX0-: C338.1 J18.A06
/Expansion connector/DP2.TX1+: C335.1 J18.A11
/Expansion connector/DP2.TX1-: C339.1 J18.A10
/Expansion connector/DP2.TX2+: C336.1 J18.A15
/Expansion connector/DP2.TX2-: C340.1 J18.A14
/Expansion connector/DP2.TX3+: C337.1 J18.A19
/Expansion connector/DP2.TX3-: C341.1 J18.A18
/Expansion connector/DP3.AUX+: C352.2 J18.B20
/Expansion connector/DP3.AUX-: C353.2 J18.B21
/Expansion connector/DP3.HPD: J1.C19 J18.C22
/Expansion connector/DP3.TX0+: C344.1 J18.B16
/Expansion connector/DP3.TX0-: C348.1 J18.B17
/Expansion connector/DP3.TX1+: C345.1 J18.B12
/Expansion connector/DP3.TX1-: C349.1 J18.B13
/Expansion connector/DP3.TX2+: C346.1 J18.B08
/Expansion connector/DP3.TX2-: C350.1 J18.B09
/Expansion connector/DP3.TX3+: C347.1 J18.B04
/Expansion connector/DP3.TX3-: C351.1 J18.B05
/Expansion connector/FMC_PG_C2M: J1.B59 J18.D01
/Expansion connector/FMC_PG_M2C: J1.J4 J18.F01
/Expansion connector/FMC_PRESENT: J1.B58 J18.Z01 R275.1 R319.1
/Expansion connector/FMC_PRSNT_M2C_L: J1.H52 R349.1 R350.2
/Expansion connector/GPIO.18: J1.J18 J18.H25
/Expansion connector/GPIO.20: J1.H5 J18.H26
/Expansion connector/GPIO.21: J1.K6 J18.C26
/Expansion connector/GPIO.27: J1.J5 J18.C27
/Expansion connector/GPIO.MCLK01: J1.H9 J18.G02
/Expansion connector/GPIO.MCLK02: J1.J54 J18.G03
/Expansion connector/GPIO.MCLK03: J1.H53 J18.C23
/Expansion connector/GPIO.USER_BTN0: D37.2 J1.C61 J18.H22 R237.1 S2.1 S2.2
/Expansion connector/GPIO.USER_BTN1: D38.2 J1.G7 J18.H23 R238.1 S3.1 S3.2
/Expansion connector/GPIO.USER_LED0: J1.A59 J18.H19 Q13.1 R229.2
/Expansion connector/GPIO.USER_LED1: J1.B62 J18.H20 Q14.1 R233.2
/Expansion connector/I2C0.SCL: J18.C30 R374.2 U1.13 U2.6